# KiCad board Ethernet_switch_4out.kicad_pcb
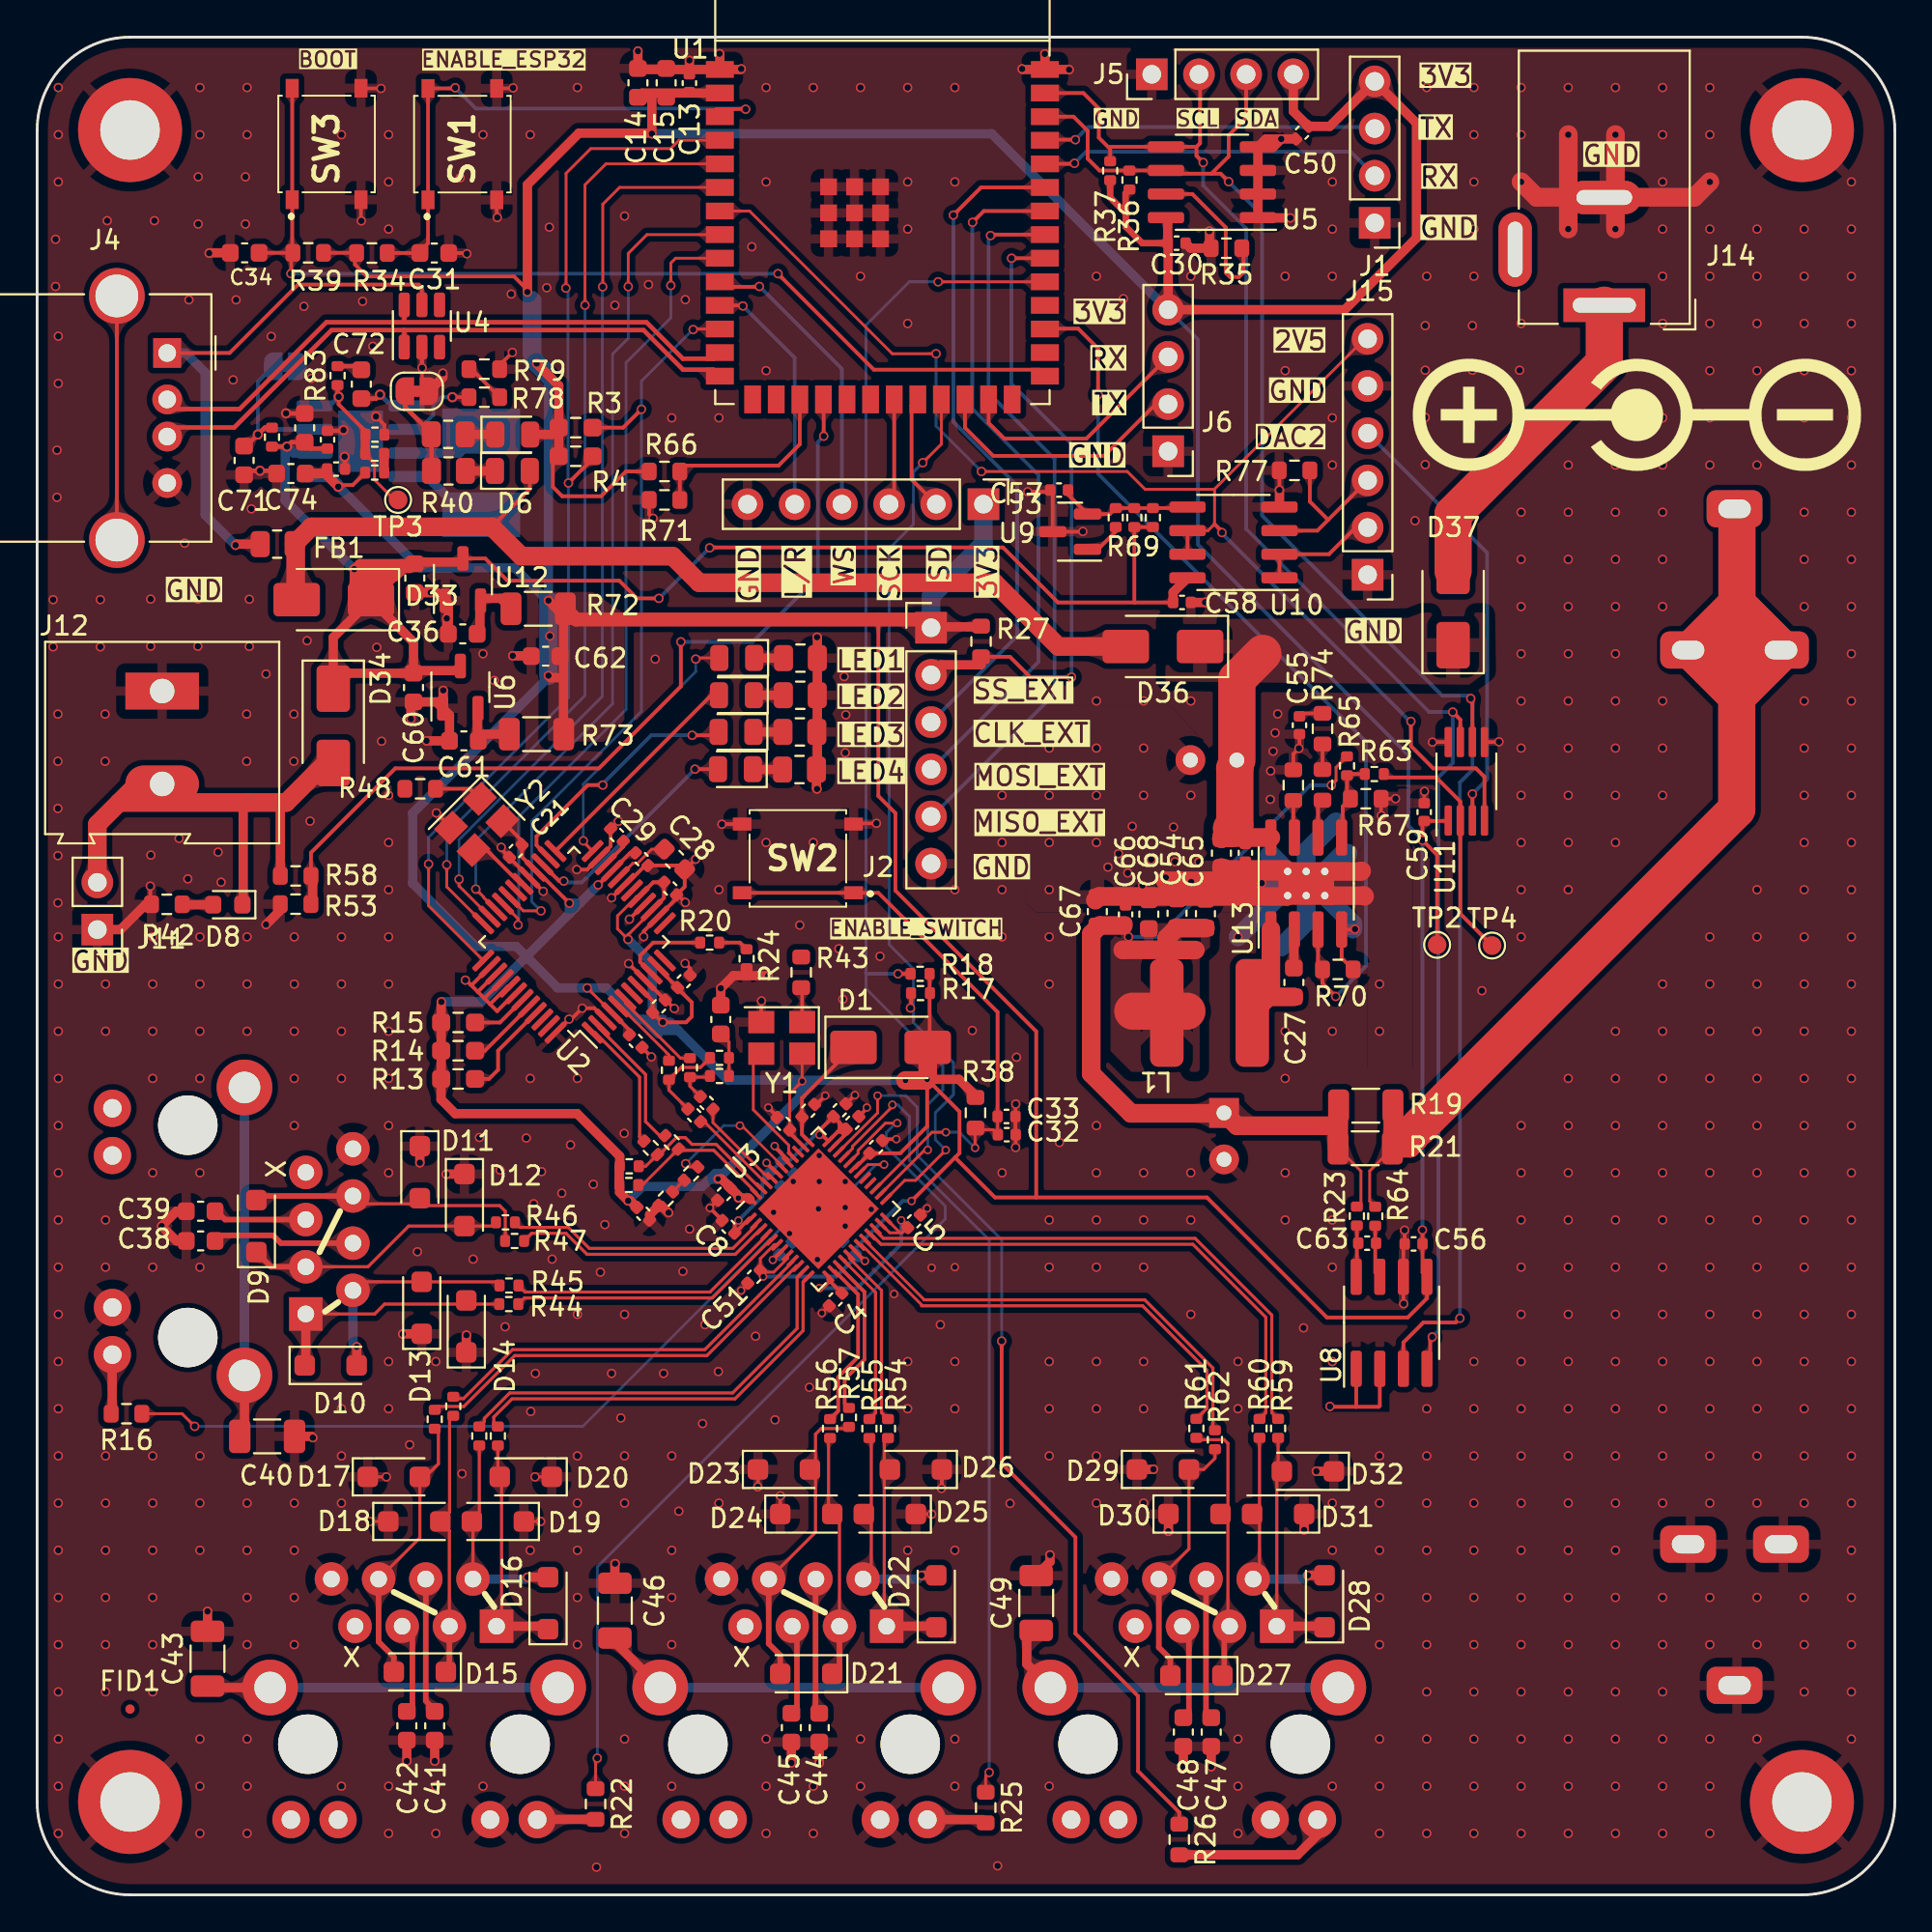
[diagram p0: board, top side]
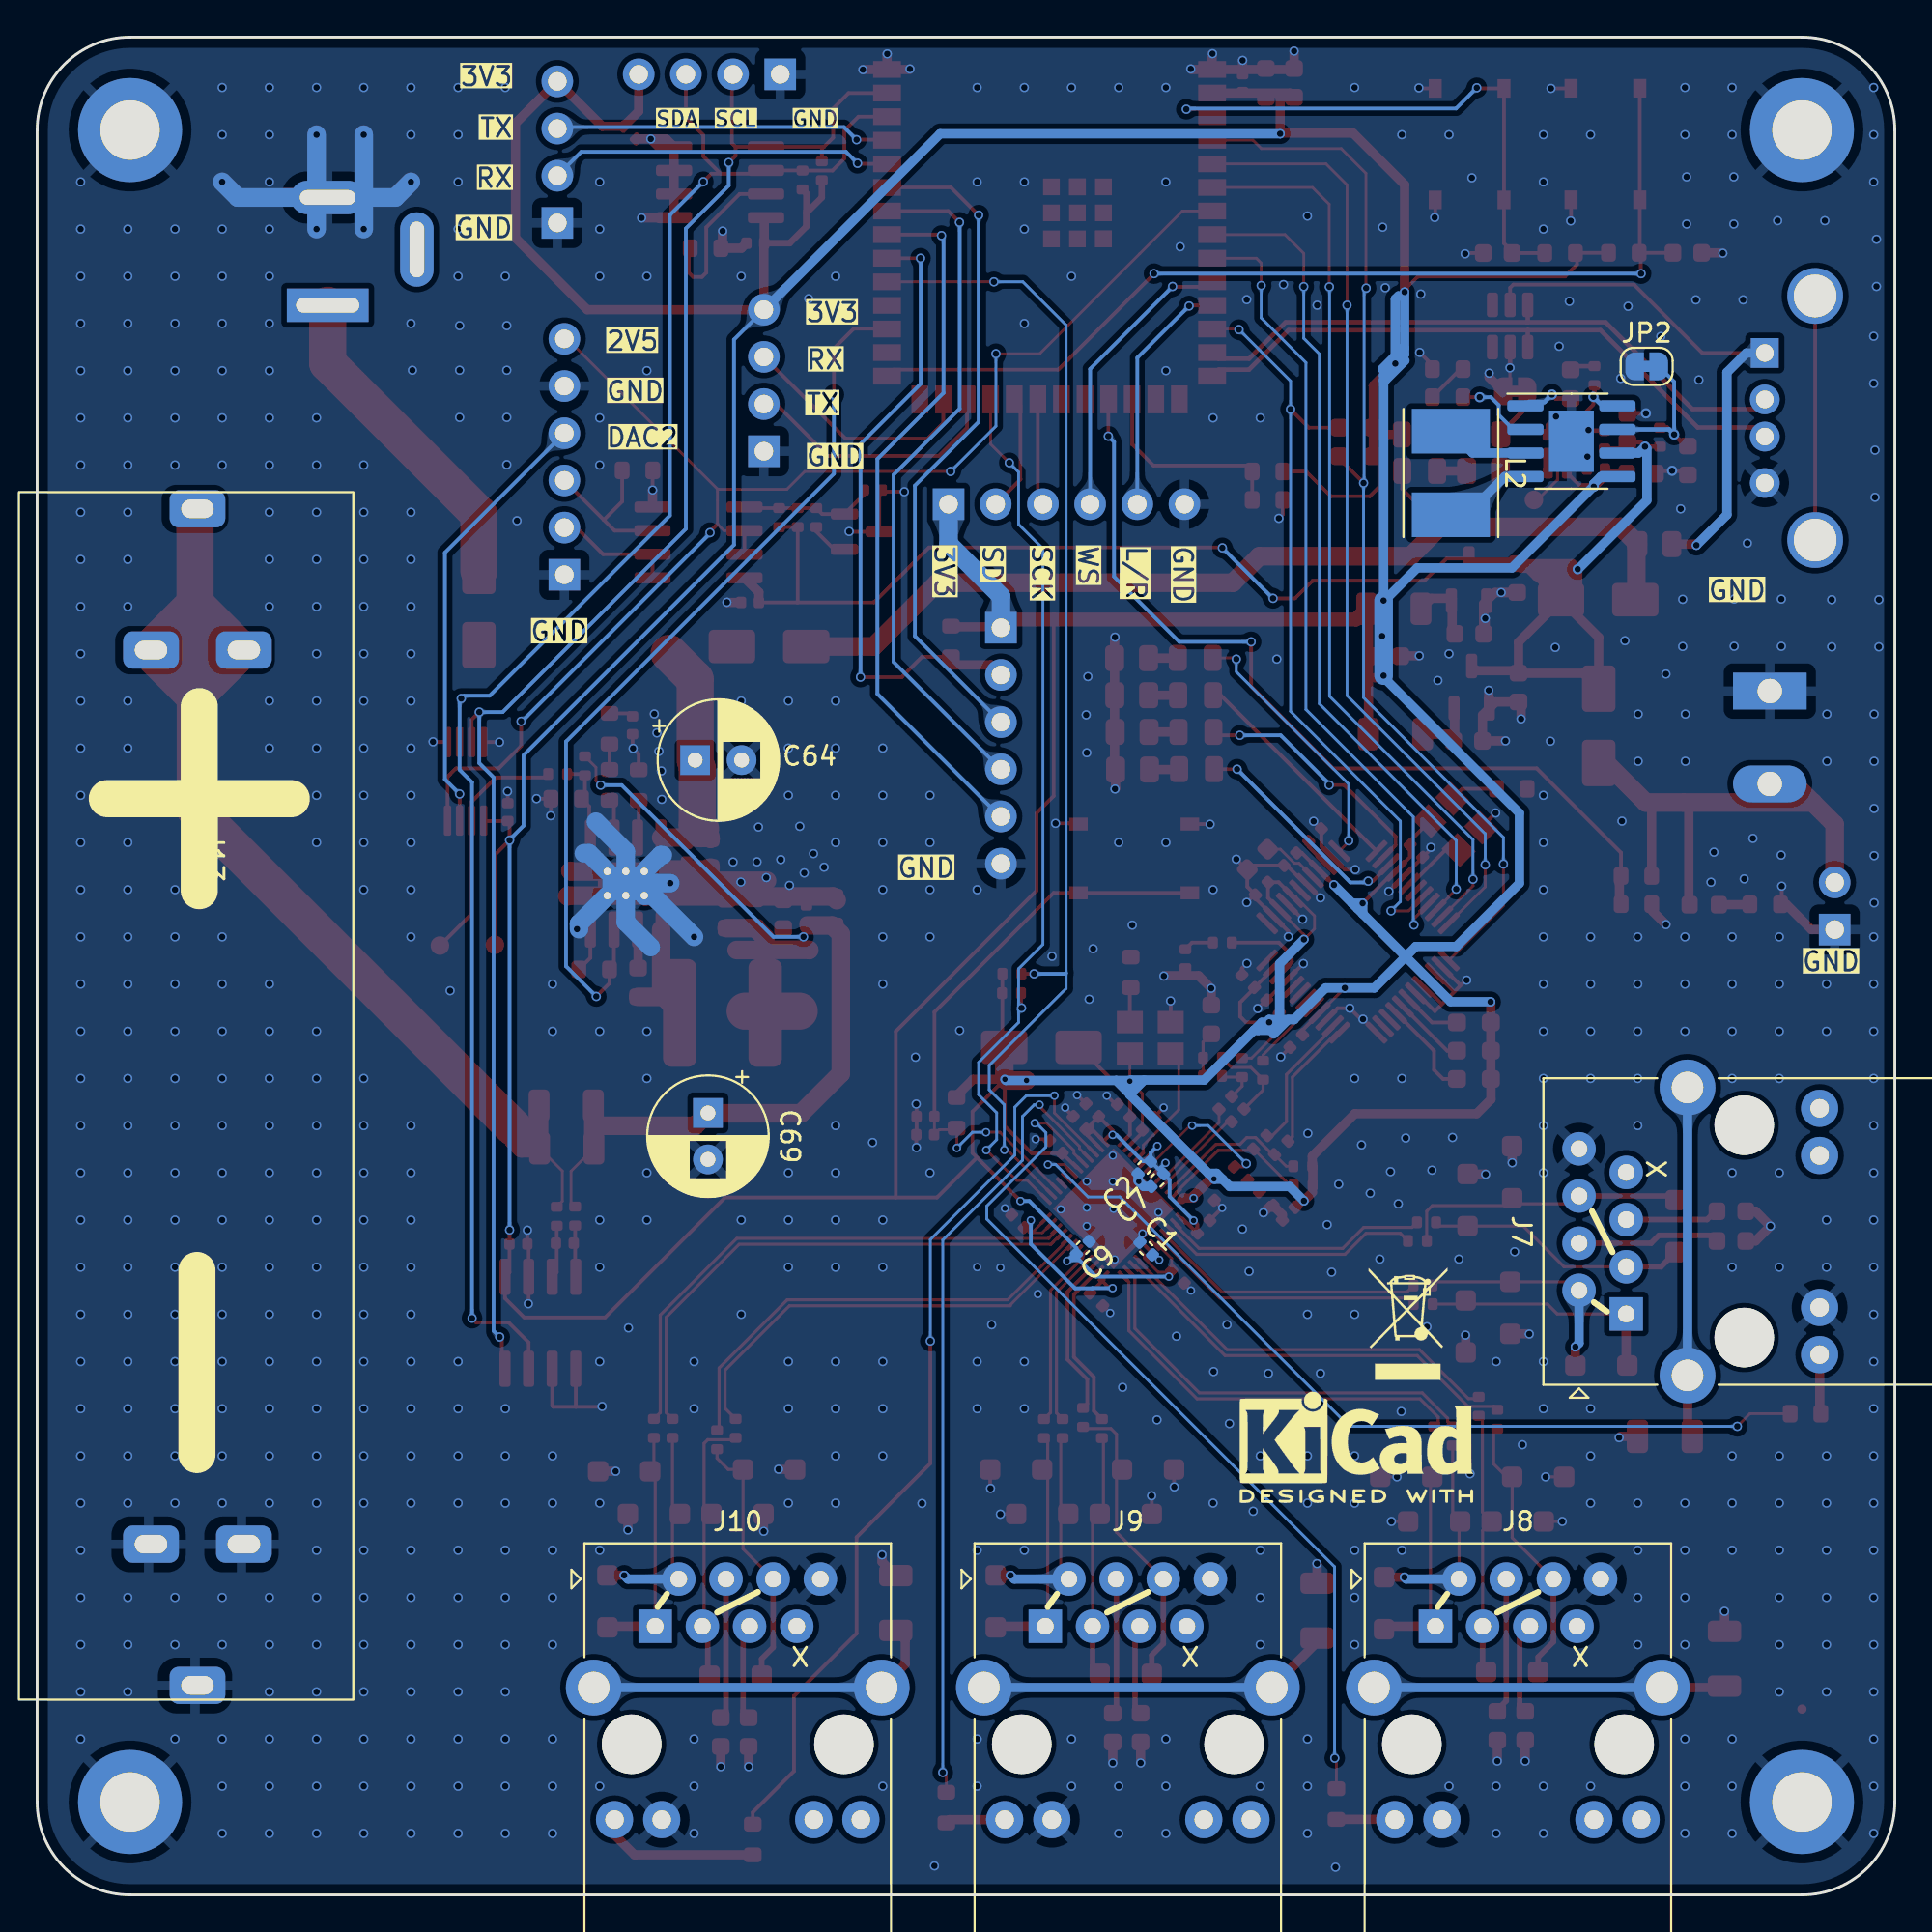
[diagram p1: board, bottom side, seen from below]

Outline 100 x 100 mm; copper layers: Top, In1.Cu (plane), In2.Cu (plane), Bottom. Coordinates in mm from the lower left corner of the outline.
Outline path: 0,95 arc(1.46,98.54) 5,100 95,100 arc(98.54,98.54) 100,95 100,5 arc(98.54,1.46) 95,0 5,0 arc(1.46,1.46) 0,5 0,95
Stack: Top 0.035mm / dielectric 0.2104mm FR4 er 4.05 / In1.Cu 0.0152mm / dielectric 1.065mm FR4 er 4.5 / In2.Cu 0.0152mm / dielectric 0.2104mm FR4 er 4.05 / Bottom 0.035mm

## Placement (name value [footprint] x y rotation side)
C1  1u  [C_0402_1005Metric]  40.3 34.79 225 bottom
C2  1u  [C_0402_1005Metric]  40.4 39.15 135 bottom
C3  1u  [C_0402_1005Metric]  43.89 41.56 225 top
C4  1u  [C_0402_1005Metric]  42.98 32.05 45 top
C5  1u  [C_0402_1005Metric]  47.2 36.26 225 top
C6  1u  [C_0402_1005Metric]  43.2 42.24 225 top
C7  1u  [C_0402_1005Metric]  39.7 38.47 135 bottom
C8  1u  [C_0402_1005Metric]  37.21 35.96 315 top
C9  1u  [C_0402_1005Metric]  43.71 34.84 315 bottom
C10  1u  [C_0402_1005Metric]  45.16 40.26 225 top
C11  1u  [C_0402_1005Metric]  40.17 41.51 315 top
C12  1u  [C_0402_1005Metric]  36.97 37.73 45 top
C13  1u  [C_0402_1005Metric]  35.11 97.53 270 top
C14  10u  [C_0603_1608Metric]  32.34 97.54 90 top
C15  10u  [C_0603_1608Metric]  33.86 97.54 90 top
C16  1u  [C_0402_1005Metric]  41.51 42.21 225 top
C17  1u  [C_0402_1005Metric]  34.08 54.17 135 top
C18  1u  [C_0402_1005Metric]  32.54 55.75 135 top
C19  1u  [C_0402_1005Metric]  32.22 45.96 135 top
C20  1u  [C_0402_1005Metric]  33.47 47.83 225 top
C21  1u  [C_0402_1005Metric]  25.76 56.19 45 top
C22  1u  [C_0402_1005Metric]  34.81 49.18 225 top
C23  6n8  [C_0402_1005Metric]  36.04 42.63 315 top
C24  6n8  [C_0402_1005Metric]  35.37 41.96 315 top
C25  1u  [C_0402_1005Metric]  32.63 36.66 135 top
C26  10n  [C_0603_1608Metric]  36.8 47.12 270 top
C27  100n  [C_0603_1608Metric]  67.65 49.11 90 top
C28  10u  [C_0603_1608Metric]  34.31 55.74 135 top
C29  1u  [C_0402_1005Metric]  31.21 57.05 315 top
C30  1u  [C_0402_1005Metric]  61.34 88.91 180 top
C31  100n  [C_0603_1608Metric]  21.38 88.38 180 top
C32  1u  [C_0402_1005Metric]  52.19 40.92 180 top
C33  1u  [C_0402_1005Metric]  52.18 41.9 180 top
C34  100n  [C_0603_1608Metric]  11.17 88.39 180 top
C35  10u  [C_0603_1608Metric]  20.33 70.88 270 top
C36  10u  [C_0603_1608Metric]  22.91 67.88 180 top
C37  1u  [C_0402_1005Metric]  15.63 78.33 270 top
C38  100n  [C_0603_1608Metric]  8.8 35.2 0 top
C39  100n  [C_0603_1608Metric]  8.8 36.8 0 top
C40  1n  [C_1206_3216Metric]  12.38 24.68 0 top
C41  100n  [C_0603_1608Metric]  21.4 9.1 90 top
C42  100n  [C_0603_1608Metric]  19.9 9.1 90 top
C43  1n  [C_1206_3216Metric]  9.17 12.71 90 top
C44  100n  [C_0603_1608Metric]  42.1 9 90 top
C45  100n  [C_0603_1608Metric]  40.6 9 90 top
C46  1n  [C_1206_3216Metric]  31.1 15.3 90 top
C47  100n  [C_0603_1608Metric]  63.2 8.76 90 top
C48  100n  [C_0603_1608Metric]  61.7 8.76 90 top
C49  1n  [C_1206_3216Metric]  53.78 15.71 90 top
C50  1u  [C_0402_1005Metric]  68.09 94.86 45 top
C51  1u  [C_0402_1005Metric]  38.59 33.27 45 top
C52  1u  [C_0402_1005Metric]  65.04 56.09 90 top
C53  10u  [C_0603_1608Metric]  63.75 56.08 270 top
C54  10u  [C_0603_1608Metric]  61.36 52.84 90 top
C55  4n7  [C_0402_1005Metric]  67.95 62.96 270 top
C56  1u  [C_0402_1005Metric]  74.09 35.04 0 top
C57  1u  [C_0402_1005Metric]  55.01 75.62 0 top
C58  1u  [C_0402_1005Metric]  61.63 69.57 180 top
C59  1u  [C_0402_1005Metric]  74.67 58.28 270 top
C60  10u  [C_0603_1608Metric]  20.26 64.99 270 top
C61  10u  [C_0603_1608Metric]  22.97 62.12 180 top
C62  10u  [C_0603_1608Metric]  27.37 66.68 180 top
C63  4n7  [C_0402_1005Metric]  71.59 35.08 0 top
C64  C_Polarized_Small  [CP_Radial_D6.3mm_P2.50mm]  64.58 61.08 180 bottom
C65  10u  [C_0603_1608Metric]  62.89 52.81 90 top
C66  1u  [C_0402_1005Metric]  58.59 52.78 270 top
C67  10u  [C_0603_1608Metric]  57.07 52.93 90 top
C68  10u  [C_0603_1608Metric]  59.84 52.79 90 top
C69  C_Polarized_Small  [CP_Radial_D6.3mm_P2.50mm]  63.89 42.09 270 bottom
C70  10u  [C_0603_1608Metric]  14.4 78.97 90 top
C71  1n5  [C_0603_1608Metric]  11.14 77.22 270 top
C72  1n5  [C_0603_1608Metric]  17.45 81.32 270 top
C73  1u  [C_0402_1005Metric]  16.09 76.75 180 top
C74  10u  [C_0603_1608Metric]  13.66 76.51 180 top
D1  D_Schottky  [D_SMA]  45.94 45.62 0 top
D2  green  [LED_0805_2012Metric]  37.59 60.6 180 top
D3  green  [LED_0805_2012Metric]  37.62 62.6 180 top
D4  green  [LED_0805_2012Metric]  37.64 64.58 180 top
D5  green  [LED_0805_2012Metric]  37.66 66.58 180 top
D6  green  [LED_0805_2012Metric]  25.58 76.65 0 top
D7  green  [LED_0805_2012Metric]  25.6 78.61 0 top
D8  red  [LED_0603_1608Metric]  10.26 53.3 180 top
D9  SMF6.0CA  [D_SOD-123F]  11.8 36 90 top
D10  SMF6.0CA  [D_SOD-123F]  15.8 28.5 0 top
D11  SMF6.0CA  [D_SOD-123F]  20.6 38.9 270 top
D12  SMF6.0CA  [D_SOD-123F]  23 37.4 270 top
D13  SMF6.0CA  [D_SOD-123F]  20.7 31.6 90 top
D14  SMF6.0CA  [D_SOD-123F]  23.1 30.6 90 top
D15  SMF6.0CA  [D_SOD-123F]  20.6 12 180 top
D16  SMF6.0CA  [D_SOD-123F]  27.5 15.7 90 top
D17  SMF6.0CA  [D_SOD-123F]  19.2 22.5 0 top
D18  SMF6.0CA  [D_SOD-123F]  20.3 20.1 0 top
D19  SMF6.0CA  [D_SOD-123F]  24.8 20.1 180 top
D20  SMF6.0CA  [D_SOD-123F]  26.3 22.5 180 top
D21  SMF6.0CA  [D_SOD-123F]  41.4 11.9 180 top
D22  SMF6.0CA  [D_SOD-123F]  48.4 15.8 90 top
D23  SMF6.0CA  [D_SOD-123F]  40.2 22.9 0 top
D24  SMF6.0CA  [D_SOD-123F]  41.4 20.5 0 top
D25  SMF6.0CA  [D_SOD-123F]  45.9 20.5 180 top
D26  SMF6.0CA  [D_SOD-123F]  47.3 22.9 180 top
D27  SMF6.0CA  [D_SOD-123F]  62.4 11.8 180 top
D28  SMF6.0CA  [D_SOD-123F]  69.3 15.8 90 top
D29  SMF6.0CA  [D_SOD-123F]  60.6 22.9 0 top
D30  SMF6.0CA  [D_SOD-123F]  62.3 20.5 0 top
D31  SMF6.0CA  [D_SOD-123F]  66.8 20.5 180 top
D32  SMF6.0CA  [D_SOD-123F]  68.4 22.8 180 top
D33  D_Schottky  [D_SMA]  15.97 69.72 180 top
D34  D_Schottky  [D_SMA]  15.94 62.93 270 top
D36  D_Schottky  [D_SMA]  60.6 67.2 180 top
D37  D_Schottky  [D_SMA]  76.22 69.27 90 top
FB1  FerriteBead_Small  [R_0805_2012Metric]  12.92 72.71 180 top
FID1  Fiducial  [Fiducial_0.5mm_Mask1mm]  5 10 0 top
FID2  Fiducial  [KiCad-Logo2_5mm_SilkScreen]  28.99 24.1 180 bottom
FID3  Fiducial  [WEEE-Logo_4.2x6mm_SilkScreen]  26.21 30.74 180 bottom
FID4  Polarity  [Polarity_Center_Positive_6mm_SilkScreen]  86.12 79.67 180 top
H1  hole  [MountingHole_3.2mm_M3_DIN965_Pad_TopBottom]  5 95 0 top
H2  hole  [MountingHole_3.2mm_M3_DIN965_Pad_TopBottom]  95 95 0 top
H3  hole  [MountingHole_3.2mm_M3_DIN965_Pad_TopBottom]  95 5 0 top
H4  hole  [MountingHole_3.2mm_M3_DIN965_Pad_TopBottom]  5 5 0 top
J1  Conn_01x04  [PinHeader_1x04_P2.54mm_Vertical]  72 90 180 top
J2  Conn_01x06  [PinHeader_1x06_P2.54mm_Vertical]  48.12 68.21 0 top
J3  Conn_01x06  [PinHeader_1x06_P2.54mm_Vertical]  50.94 74.86 270 top
J4  USB_A  [USB_A_Molex_67643_Horizontal]  7 83 270 top
J5  Conn_01x04  [PinHeader_1x04_P2.54mm_Vertical]  60 98 90 top
J6  Conn_01x04  [PinHeader_1x04_P2.54mm_Vertical]  60.88 77.71 180 top
J7  RJ45 Abracon ARJM11B1  [RJ45_Abracon_ARJM11B1]  17 30 90 bottom
J8  RJ45 Abracon ARJM11B1  [RJ45_Abracon_ARJM11B1]  26 17 180 bottom
J9  RJ45 Abracon ARJM11B1  [RJ45_Abracon_ARJM11B1]  47 17 180 bottom
J10  RJ45 Abracon ARJM11B1  [RJ45_Abracon_ARJM11B1]  68 17 180 bottom
J11  Conn_01x02  [PinHeader_1x02_P2.54mm_Vertical]  3.24 51.96 180 top
J12  Conn_01x02  [TerminalBlock_Altech_AK300-2_P5.00mm]  6.73 64.8 270 top
J13  Conn_01x02  [MYOUNG MY-18650-01]  93.87 67.01 270 bottom
J14  Jack-DC  [BarrelJack_Wuerth_6941xx301002]  84.36 85.57 180 top
J15  Conn_01x06  [PinHeader_1x06_P2.54mm_Vertical]  71.62 71.06 180 top
JP1  Jumper_2_Bridged  [SolderJumper-2_P1.3mm_Bridged_RoundedPad1.0x1.5mm]  20.44 80.94 180 top
JP2  Jumper_2_Bridged  [SolderJumper-2_P1.3mm_Bridged_RoundedPad1.0x1.5mm]  13.36 82.28 180 bottom
L1  33u  [SWPA6045S330MT]  63.11 47.47 180 top
L2  10-20uH  [L_Taiyo-Yuden_NR-50xx_HandSoldering]  23.9 76.54 270 bottom
R1  49R9  [R_0402_1005Metric]  31.87 39.22 180 top
R2  49R9  [R_0402_1005Metric]  31.85 38.21 180 top
R3  10k  [R_0603_1608Metric_Pad0.98x0.95mm_HandSolder]  28.99 78.98 0 top
R4  10k  [R_0603_1608Metric_Pad0.98x0.95mm_HandSolder]  28.99 77.44 0 top
R5  10  [R_0402_1005Metric]  35.14 44.53 90 top
R6  10  [R_0402_1005Metric]  34.01 44.39 90 top
R7  10  [R_0402_1005Metric]  33.03 40.21 135 top
R8  10  [R_0402_1005Metric]  34.16 40.51 135 top
R9  49R9  [R_0402_1005Metric]  36.73 45.06 180 top
R10  49R9  [R_0402_1005Metric]  36.73 44.08 180 top
R11  2k  [R_0402_1005Metric]  33.84 37.48 45 top
R12  470  [R_0402_1005Metric]  35.2 38.83 45 top
R13  10k  [R_0603_1608Metric_Pad0.98x0.95mm_HandSolder]  22.66 43.92 180 top
R14  10k  [R_0603_1608Metric_Pad0.98x0.95mm_HandSolder]  22.66 45.44 180 top
R15  10k  [R_0603_1608Metric_Pad0.98x0.95mm_HandSolder]  22.66 46.96 180 top
R16  1k  [R_0603_1608Metric]  4.81 25.9 180 top
R17  3k9  [R_0402_1005Metric]  47.55 48.54 180 top
R18  3k9  [R_0402_1005Metric]  47.53 49.58 180 top
R19  0R1  [R_1206_3216Metric]  71.52 42.48 0 top
R20  470  [R_0402_1005Metric]  36.2 51.26 180 top
R21  0R1  [R_1206_3216Metric]  71.49 40.19 0 top
R22  1k  [R_0603_1608Metric]  30.06 4.89 270 top
R23  5R1  [R_0402_1005Metric]  71.04 36.54 270 top
R24  12k  [R_0402_1005Metric]  38.19 50.39 90 top
R25  1k  [R_0603_1608Metric]  51.06 4.7 270 top
R26  1k  [R_0603_1608Metric]  61.48 2.98 270 top
R27  10k  [R_0603_1608Metric]  50.81 67.47 270 top
R28  1k  [R_0805_2012Metric]  41.04 60.58 0 top
R29  1k  [R_0805_2012Metric]  41.06 62.6 0 top
R30  1k  [R_0805_2012Metric]  41.08 64.58 0 top
R31  1k  [R_0805_2012Metric]  41.09 66.57 0 top
R32  10  [R_0402_1005Metric]  58.06 74.14 90 top
R33  47k  [R_0402_1005Metric]  12.64 78.47 270 top
R34  10k  [R_0603_1608Metric]  18.02 88.38 0 top
R35  10k  [R_0603_1608Metric]  64.02 88.64 180 top
R36  5k1  [R_0402_1005Metric]  58.8 92.31 90 top
R37  5k1  [R_0402_1005Metric]  57.76 92.81 90 top
R38  10k  [R_0603_1608Metric]  50.51 42.1 90 top
R39  10k  [R_0603_1608Metric]  14.59 88.39 0 top
R40  1k  [R_0805_2012Metric]  22.14 76.65 180 top
R41  1k  [R_0805_2012Metric]  22.13 78.62 180 top
R42  1k  [R_0603_1608Metric]  6.98 53.32 0 top
R43  2k  [R_0603_1608Metric]  41.13 49.66 270 top
R44  10  [R_0402_1005Metric]  25.39 31.8 180 top
R45  10  [R_0402_1005Metric]  25.4 32.8 180 top
R46  10  [R_0402_1005Metric]  25.21 36.2 180 top
R47  10  [R_0402_1005Metric]  25.7 35.2 180 top
R48  2k  [R_0603_1608Metric]  20.62 59.54 0 top
R49  10  [R_0402_1005Metric]  24.8 24.7 270 top
R50  10  [R_0402_1005Metric]  23.8 24.7 270 top
R51  10  [R_0402_1005Metric]  22.4 26.3 270 top
R52  10  [R_0402_1005Metric]  21.4 25.6 270 top
R53  10k  [R_0603_1608Metric]  13.91 53.33 180 top
R54  10  [R_0402_1005Metric]  45.8 25.1 270 top
R55  10  [R_0402_1005Metric]  44.8 25.1 270 top
R56  10  [R_0402_1005Metric]  42.68 25.1 270 top
R57  10  [R_0402_1005Metric]  43.7 25.7 270 top
R58  10k  [R_0603_1608Metric]  13.91 54.85 0 top
R59  10  [R_0402_1005Metric]  66.8 25.11 270 top
R60  10  [R_0402_1005Metric]  65.8 25.11 270 top
R61  10  [R_0402_1005Metric]  62.4 25.11 270 top
R62  10  [R_0402_1005Metric]  63.4 24.5 270 top
R63  47k  [R_0402_1005Metric]  71.98 60.33 180 top
R64  5R1  [R_0402_1005Metric]  72.03 36.53 270 top
R65  47k  [R_0402_1005Metric]  70.51 60.78 90 top
R66  10k  [R_0603_1608Metric]  33.77 76.62 0 top
R67  10k  [R_0603_1608Metric]  71.52 59 0 top
R68  470  [R_0402_1005Metric]  60.06 74.14 270 top
R69  2k  [R_0402_1005Metric]  59.06 74.14 90 top
R70  10k  [R_0603_1608Metric]  70.02 49.81 0 top
R71  10k  [R_0603_1608Metric]  33.77 75.09 180 top
R72  0R1  [R_1206_3216Metric]  26.97 69.23 180 top
R73  0R1  [R_1206_3216Metric]  26.88 62.48 180 top
R74  10k  [R_0603_1608Metric]  69.19 62.78 90 top
R75  10k  [R_0603_1608Metric]  69.19 59.75 90 top
R76  120k  [R_0603_1608Metric]  67.62 59.73 90 top
R77  120k  [R_0603_1608Metric]  67.69 76.68 180 top
R78  10k  [R_0603_1608Metric]  24.07 80.62 0 top
R79  10k  [R_0603_1608Metric]  24.07 82.13 0 top
R80  200k  [R_0402_1005Metric]  18.19 78.6 180 top
R81  330k  [R_0402_1005Metric]  18.17 76.56 180 top
R82  16k  [R_0402_1005Metric]  18.17 77.57 0 top
R83  16k  [R_0402_1005Metric]  16.17 81.78 90 top
SW1  MCU_RESET  [PTS526SK15SMTR2LFS]  22.89 94.24 90 top
SW2  MCU_RESET  [PTS526SK15SMTR2LFS]  40.95 55.79 180 top
SW3  MCU_RESET  [PTS526SK15SMTR2LFS]  15.58 94.25 90 top
TP2  TestPoint  [TestPoint_Pad_D1.0mm]  75.36 51.14 0 top
TP3  TestPoint  [TestPoint_Pad_D1.0mm]  19.43 75.09 180 top
TP4  TestPoint  [TestPoint_Pad_D1.0mm]  78.32 51.1 0 top
U1  -  [ESP32-S3-WROOM-1]  45.5 90 0 top
U2  W5500  [LQFP-48_7x7mm_P0.5mm]  28.9 51.3 135 top
U3  RTL8305NB-VB-CG  [QFN-48-1EP_6x6mm_P0.4mm_EP4.6x4.6mm]  42.06 36.93 45 top
U4  SRV05-4  [SOT-23-6]  20.71 84.45 90 top
U5  CAT24C256  [SOIC-8_3.9x4.9mm_P1.27mm]  63.24 92.19 180 top
U6  XC6206PxxxMR  [SOT-23-3]  22.78 65.01 90 top
U7  TX4410  [SOIC-8-1EP_3.9x4.9mm_P1.27mm_EP2.41x3.3mm]  17.41 78.25 180 bottom
U8  INA219AxD  [SOIC-8_3.9x4.9mm_P1.27mm]  72.91 30.8 90 top
U9  CJ431  [SOT-23]  55.6 73.38 180 top
U10  MCP6002-xSN  [SOIC-8_3.9x4.9mm_P1.27mm]  64.4 72.8 180 top
U11  AD5337  [MSOP-8_3x3mm_P0.65mm]  76.94 59.94 90 top
U12  XC6206PxxxMR  [SOT-23-3]  22.92 70.8 90 top
U13  RT7272B  [SOIC-8-1EP_3.9x4.9mm_P1.27mm_EP2.29x3mm_ThermalVias]  68.31 54.44 90 top
Y1  25MHz  [Crystal_SMD_3225-4Pin_3.2x2.5mm]  40.08 46.13 180 top
Y2  25MHz  [Crystal_SMD_3225-4Pin_3.2x2.5mm]  23.66 57.62 225 top

## Library data of the parts
C1-C13 C16-C22 C25 C29 C30 C32 C33 C37 C50-C52 C56-C59 C66 C73 = -: Description: Unpolarized capacitor, small symbol; LCSC: C52923
C14 C15 C35 C36 C53 C54 C60-C62 C65 C67 C68 C70 C74 = -: Description: Unpolarized capacitor, small symbol; LCSC: C96446
C23 C24 = -: Description: Unpolarized capacitor, small symbol; LCSC: C1542
C26 = -: Description: Unpolarized capacitor, small symbol; LCSC: C57112
C27 C31 C34 C38 C39 C41 C42 C44 C45 C47 C48 = -: Description: Unpolarized capacitor, small symbol; LCSC: C14663
C28 = -: Description: Unpolarized capacitor, small symbol; LCSC: C19702
C40 C43 C46 C49 = -: Description: Unpolarized capacitor, small symbol; LCSC: C9196
C55 C63 = -: Description: Unpolarized capacitor, small symbol; LCSC: C1538
C64 C69 = -: Description: Polarized capacitor, small symbol
C71 C72 = -: Description: Unpolarized capacitor, small symbol; LCSC: C1595
D1 D33 D34 D36 D37 = -: Description: Schottky diode; LCSC: C22452
D2-D7 = -: Description: Light emitting diode, small symbol; LCSC: C2297
D8 = -: Description: Light emitting diode, small symbol; LCSC: C2286
D9-D32 = -: Description: Bidirectional transient-voltage-suppression diode; LCSC: C2990473
FB1 = -: Description: Ferrite bead, small symbol; LCSC: C1015
FID1-FID4 = -: Description: Fiducial Marker
H1-H4 = -: Description: Mounting Hole with connection
J1 J5 J6 = -: Description: Generic connector, single row, 01x04, script generated (kicad-library-utils/schlib/autogen/connector/)
J2 J3 J15 = -: Description: Generic connector, single row, 01x06, script generated (kicad-library-utils/schlib/autogen/connector/)
J4 = -: Description: USB Type A connector
J7-J10 = -: Description: 1 Port RJ45 Magjack Connector Through Hole 10/100 Base-T
J11-J13 = -: Description: Generic connector, single row, 01x02, script generated (kicad-library-utils/schlib/autogen/connector/)
J14 = -: Description: DC Barrel Jack
JP1 JP2 = -: Description: Jumper, 2-pole, closed/bridged
L1 L2 = -: Description: Inductor
R1 R2 R9 R10 = -: Description: Resistor, small symbol; LCSC: C25120
R3 R4 R13-R15 R27 R34 R35 R38 R39 R53 R58 R66 R67 R70 R71 R74 R75 R78 R79 = -: Description: Resistor, small symbol; LCSC: C25804
R5-R8 R23 R32 R44-R47 R49-R52 R54-R57 R59-R62 R64 = -: Description: Resistor, small symbol; LCSC: C25077
R11 R43 R48 R69 = -: Description: Resistor, small symbol; LCSC: C4109
R12 R20 R68 = -: Description: Resistor, small symbol; LCSC: C25117
R16 R22 R25 R26 R42 = -: Description: Resistor; LCSC: C21190
R17 R18 = -: Description: Resistor, small symbol; LCSC: C51721
R19 R21 R72 R73 = -: Description: Resistor, small symbol; LCSC: C25334
R24 = -: Description: Resistor, small symbol; LCSC: C25752
R28-R31 R40 R41 = -: Description: Resistor; LCSC: C17513
R33 R63 R65 = -: Description: Resistor, small symbol; LCSC: C25792
R36 R37 = -: Description: Resistor, small symbol; LCSC: C25905
R76 R77 = -: Description: Resistor, small symbol; LCSC: C25808
R80 = -: Description: Resistor, small symbol; LCSC: C25764
R81 = -: Description: Resistor, small symbol; LCSC: C25778
R82 R83 = -: Description: Resistor, small symbol; LCSC: C25756
SW1-SW3 = -: Description: Single Pole Single Throw (SPST) switch; LCSC: C318884
TP2-TP4 = -: Description: test point
U1 = -: Description: 2.4 GHz WiFi (802.11 b/g/n) and Bluetooth ® 5 (LE) module Built around ESP32S3 series of SoCs, Xtensa ® dualcore 32bit LX7 microprocessor Flash up to 16 MB, PSRAM up to 8 MB 36 GPIOs, rich set of peripherals Onboard PCB antenna
U2 = -: Description: 10/100Mb SPI Ethernet controller with TCP/IP stack, LQFP-48; LCSC: C32843
U3 = -: Description: 5 port switch 10/100 base; LCSC: C3010343
U4 = -: Description: ESD Protection Diodes with Low Clamping Voltage, SOT-23-6; LCSC: C85364
U5 = -: Description: 256 kb CMOS Serial EEPROM, DIP-8/SOIC-8/TSSOP-8/DFN-8; LCSC: C6482
U6 U12 = -: Description: Positive 60-250mA Low Dropout Regulator, Fixed Output, SOT-23; LCSC: C5446
U8 = -: Description: Zero-Drift, Bidirectional Current/Power Monitor (0-26V) With I2C Interface, SOIC-8
U9 = -: LCSC: C3113
U10 = -: Description: 1MHz, Low-Power Op Amp, SOIC-8; LCSC: C7377
U11 = -: LCSC: C427645
U13 = -: Description: buck 500kHz  4.5V to 36V Input Voltage Range    Adjustable Output Voltage from 0.8V to 30V     3A Output Current; LCSC: C127866
Y1 Y2 = -: Description: Four pin crystal, GND on pins 2 and 4, small symbol; LCSC: C669088
